# Altium PCB fastic-readout.PcbDoc (part 6 of 6)
Units mm, origin at the board's own origin, x right, y up, seen from the top; angles counter-clockwise.
Board outline 60 x 60 mm, 8 copper layers (Top Layer, L02-GND, L03-PWR, L04- Signal, L05 - Signal, L06-PWR, L07-GND, Bottom Layer), stack 1.566 mm thick; 378 components, 394 nets, 1536 pads, 1082 vias.
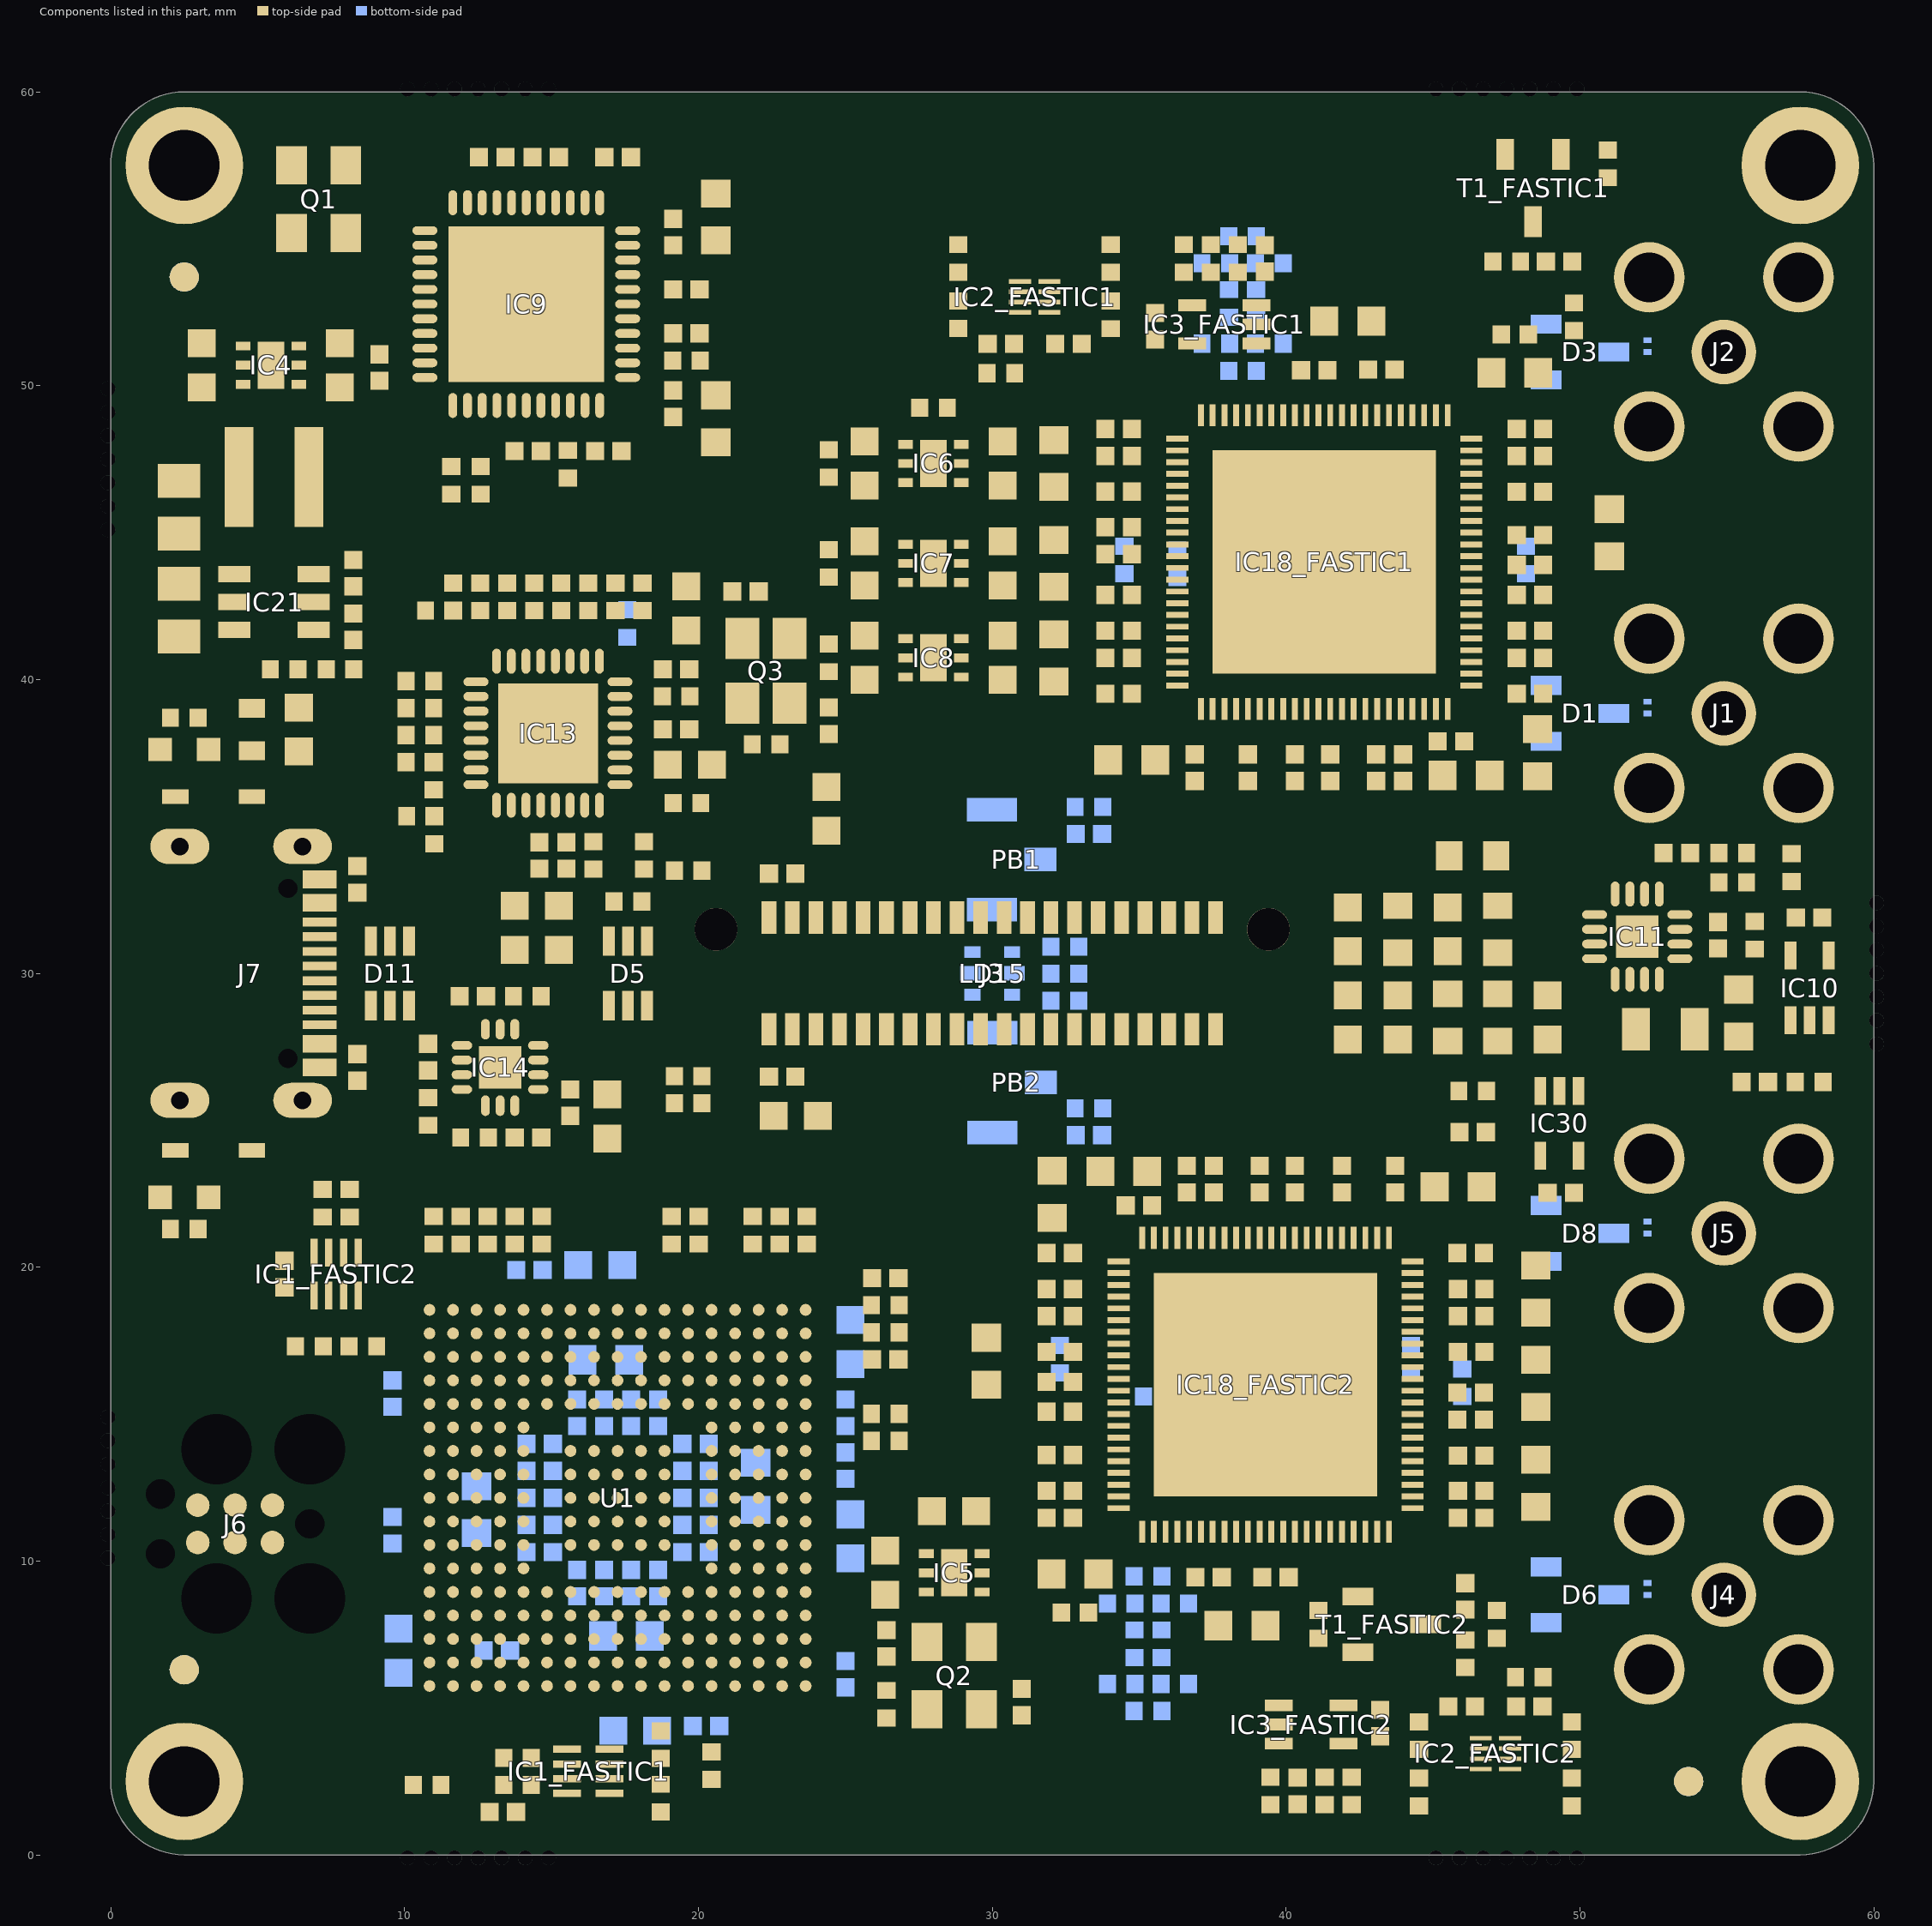
[diagram p12: the components of this part, seen from the top]

## Silkscreen, mask and mechanical layers (free items; w line width, h text height) (continued)
Mechanical 5:
  lines w0.2: 7.048,1.949 7.049,22.349 27.449,22.348 27.448,1.948 7.048,1.949 ; 9.048,3.949 25.448,3.948 25.449,20.348 9.049,20.349 9.048,3.949
  lines w0.381: 90.19,-1.762 100.602,-1.762 144.023,-1.762 165.1,-1.762 181.606,-1.762 ; 90.19,1.286 100.602,1.286 144.023,1.286 165.1,1.286 181.606,1.286 ; 90.19,4.334 100.602,4.334 144.023,4.334 165.1,4.334 181.606,4.334 ; 90.19,7.382 100.602,7.382 144.023,7.382 165.1,7.382 181.606,7.382 ; 90.19,10.43 100.602,10.43 144.023,10.43 165.1,10.43 181.606,10.43 ; 90.19,13.478 100.602,13.478 144.023,13.478 165.1,13.478 181.606,13.478 ; 90.19,16.526 100.602,16.526 144.023,16.526 165.1,16.526 181.606,16.526 ; 90.19,19.574 100.602,19.574 144.023,19.574 165.1,19.574 181.606,19.574 ; 90.19,22.622 100.602,22.622 144.023,22.622 165.1,22.622 181.606,22.622 ; 90.19,25.67 100.602,25.67 144.023,25.67 165.1,25.67 181.606,25.67 ; 90.19,28.718 100.602,28.718 144.023,28.718 165.1,28.718 181.606,28.718 ; 90.19,31.766 100.602,31.766 144.023,31.766 165.1,31.766 181.606,31.766 ; 90.19,34.814 100.602,34.814 144.023,34.814 165.1,34.814 181.606,34.814 ; 90.19,37.862 100.602,37.862 144.023,37.862 165.1,37.862 181.606,37.862 ; 90.19,40.91 100.602,40.91 144.023,40.91 165.1,40.91 181.606,40.91 ; 90.19,43.958 100.602,43.958 144.023,43.958 165.1,43.958 181.606,43.958 ; 90.19,47.006 100.602,47.006 144.023,47.006 165.1,47.006 181.606,47.006 ; 90.19,50.054 100.602,50.054 144.023,50.054 165.1,50.054 181.606,50.054 ; 90.19,53.102 100.602,53.102 144.023,53.102 165.1,53.102 181.606,53.102 ; 90.19,56.15 100.602,56.15 144.023,56.15 165.1,56.15 181.606,56.15 ; 90.19,59.198 100.602,59.198 144.023,59.198 165.1,59.198 181.606,59.198 ; 90.19,62.246 100.602,62.246 144.023,62.246 165.1,62.246 181.606,62.246 ; 90.19,65.294 181.606,65.294 ; 100.602,68.342 100.602,-4.81 ; 144.023,68.342 144.023,-4.81 ; 165.1,68.342 165.1,-4.81 ; 100.602,-4.81 90.19,-4.81 90.19,68.342 181.606,68.342 181.606,-4.81 165.1,-4.81 ; 100.602,-4.81 144.023,-4.81 ; 144.023,-4.81 165.1,-4.81
  text "Layer" at 91.968,66.056 h1.52
  text "Name" at 102.38,66.056 h1.52
  text "Material" at 145.801,66.056 h1.52
  text "Thickness" at 166.878,66.056 h1.52
  text "Top Overlay" at 102.38,63.008 h1.52
  text "Top Solder" at 102.38,59.96 h1.52
  text "SM-001" at 145.801,59.96 h1.52
  text "0.025mm" at 166.878,59.96 h1.52
  text "Top Copper Plating (ENIG)" at 102.38,56.912 h1.52
  text "Nickel, Gold" at 145.801,56.912 h1.52
  text "0.005mm" at 166.878,56.912 h1.52
  text "1" at 91.968,53.864 h1.52
  text "Top Layer" at 102.38,53.864 h1.52
  text "Copper" at 145.801,53.864 h1.52
  text "0.018mm" at 166.878,53.864 h1.52
  text "Dielectric 1 - PR2116" at 102.38,50.816 h1.52
  text "PR2116" at 145.801,50.816 h1.52
  text "0.120mm" at 166.878,50.816 h1.52
  text "2" at 91.968,47.768 h1.52
  text "L02-GND" at 102.38,47.768 h1.52
  text "Copper" at 145.801,47.768 h1.52
  text "0.035mm" at 166.878,47.768 h1.52
  text "Dielectric 2 - Core FR4" at 102.38,44.72 h1.52
  text "FR4 Improved" at 145.801,44.72 h1.52
  text "0.200mm" at 166.878,44.72 h1.52
  text "3" at 91.968,41.672 h1.52
  text "L03-PWR" at 102.38,41.672 h1.52
  text "Copper" at 145.801,41.672 h1.52
  text "0.035mm" at 166.878,41.672 h1.52
  text "Dielectric 3 - PR2116" at 102.38,38.624 h1.52
  text "PP-016" at 145.801,38.624 h1.52
  text "0.120mm" at 166.878,38.624 h1.52
  text "Dielectric 4 - PR2116" at 102.38,35.576 h1.52
  text "PP-016" at 145.801,35.576 h1.52
  text "0.120mm" at 166.878,35.576 h1.52
  text "4" at 91.968,32.528 h1.52
  text "L04- Signal" at 102.38,32.528 h1.52
  text "Copper" at 145.801,32.528 h1.52
  text "0.035mm" at 166.878,32.528 h1.52
  text "Dielectric 4 - Core FR4" at 102.38,29.48 h1.52
  text "FR4 Improved" at 145.801,29.48 h1.52
  text "0.200mm" at 166.878,29.48 h1.52
  text "5" at 91.968,26.432 h1.52
  text "L05 - Signal" at 102.38,26.432 h1.52
  text "Copper" at 145.801,26.432 h1.52
  text "0.035mm" at 166.878,26.432 h1.52
  text "Dielectric 5 - PR2116" at 102.38,23.384 h1.52
  text "PP-016" at 145.801,23.384 h1.52
  text "0.120mm" at 166.878,23.384 h1.52
  text "Dielectric 6 - PR2116" at 102.38,20.336 h1.52
  text "PP-016" at 145.801,20.336 h1.52
  text "0.120mm" at 166.878,20.336 h1.52
  text "6" at 91.968,17.288 h1.52
  text "L06-PWR" at 102.38,17.288 h1.52
  text "Copper" at 145.801,17.288 h1.52
  text "0.035mm" at 166.878,17.288 h1.52
  text "Dielectric 7 - Core FR4" at 102.38,14.24 h1.52
  text "FR4 Improved" at 145.801,14.24 h1.52
  text "0.200mm" at 166.878,14.24 h1.52
  text "7" at 91.968,11.192 h1.52
  text "L07-GND" at 102.38,11.192 h1.52
  text "Copper" at 145.801,11.192 h1.52
  text "0.035mm" at 166.878,11.192 h1.52
  text "Dielectric 8 - PR2116" at 102.38,8.144 h1.52
  text "PR2116" at 145.801,8.144 h1.52
  text "0.120mm" at 166.878,8.144 h1.52
  text "8" at 91.968,5.096 h1.52
  text "Bottom Layer" at 102.38,5.096 h1.52
  text "Copper" at 145.801,5.096 h1.52
  text "0.018mm" at 166.878,5.096 h1.52
  text "Bottom Surface Finish (ENIG)" at 102.38,2.048 h1.52
  text "Nickel, Gold" at 145.801,2.048 h1.52
  text "0.005mm" at 166.878,2.048 h1.52
  text "Bottom Solder" at 102.38,-1 h1.52
  text "SM-001" at 145.801,-1 h1.52
  text "0.025mm" at 166.878,-1 h1.52
  text "Bottom Overlay" at 102.38,-4.048 h1.52

## Text inside footprints (layer, text, board x,y; h text height)
J7: Mechanical 8 "PCB Edge" at 0.233,33.297 h1 r270